# KiCad board [DFR1142]Lite Carrier for LattePanda Mu.kicad_pcb (continued)
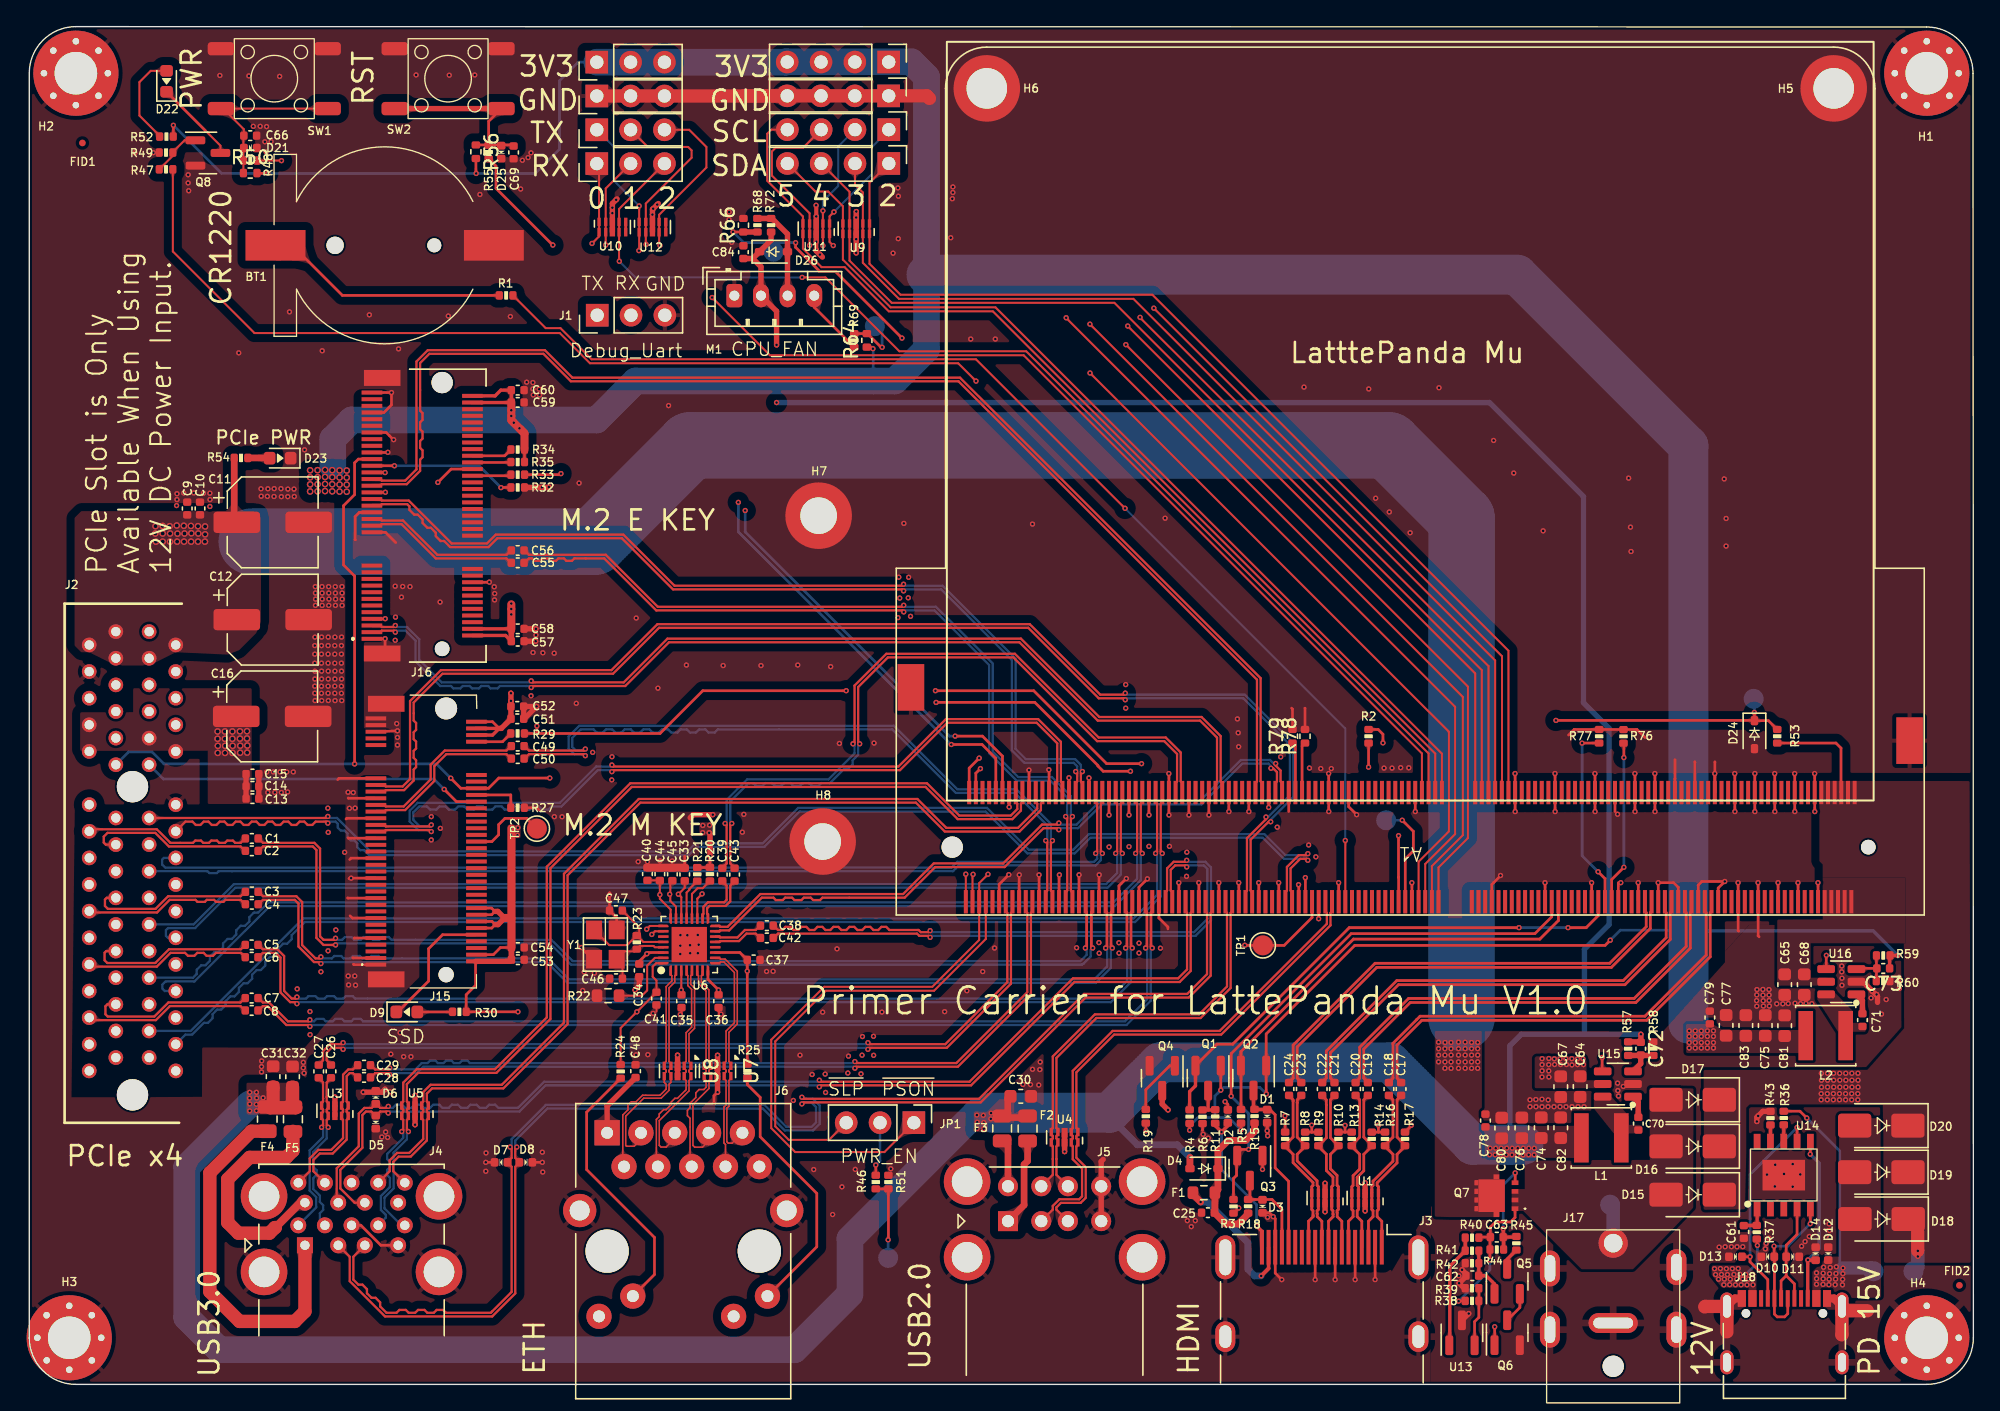
[diagram p0: board, top side]
## Routing (per net, layer and track width the routed paths; a pad name or vN(x,y) marks a point on that pad's centre or on a via; arc(x,y) is an arc through that point) (continued)
+5V: length 288.5
  Top w0.4: v1(121.03,26.3) 121.03,25.71 C72.1 120.99,25.73 R57.2 ; R72.1 55.71,85.96 D26.1 54.33,84.58 ; 54.33,84.58 54.95,83.96 M1.2 56.12,80.62 v1(56.12,78.09) ; 54.33,84.58 C84.1
  Top w0.5: 73.48,21.48 73.48,20.07 73.5,20.04 74.97,20.04
  Top w0.508: v1(87.16,17.05) D4.2
  Top w1: C32.2 19.77,21.01 20,20.78 18.1,20.78 18.31,20.99 C31.2
  In2.PWR w0.4: v1(56.12,73.76) v1(56.12,78.09)
  Bottom w0.4: 116.79,26.3 v1(121.03,26.3) ; 116.79,26.3 112.05,26.3 111.19,25.44 111.19,18 ; 116.79,26.3 116.79,32.69 118.64,34.54 118.64,49.29 116.72,51.21 116.72,66.69 109.65,73.76 v1(56.12,73.76)
  Bottom w0.508: v1(87.16,17.05) 86.21,18 83.21,18 81.13,20.08 81.13,20.41
  Bottom w2: v1(16.55,21.07) 11.82,16.34 11.82,5.04 14.26,2.6 57.46,2.6 61.63,6.77 61.63,10.93 71.16,20.46 v1(71.16,20.23)
  Bottom w3: 72.29,20.41 81.13,20.41 84.91,24.19 102.21,24.19 108.4,18 112.2,18
  vias: v1(16.54,21.5) v1(16.55,21.94) v1(16.55,20.55) v1(17.06,21.94) v1(17.07,21.51) v1(17.05,21.04) v1(17.06,20.56) v1(17.56,21.53) v1(71.19,19.7) v1(71.18,19.22) v1(71.65,20.21) v1(71.68,19.67) v1(71.68,19.21) v1(72.23,20.38) v1(72.21,19.95) v1(109.71,17.74) v1(109.67,17.25) v1(110.13,17.74) v1(110.09,17.25) v1(110.54,17.74) v1(110.51,17.25) v1(110.92,17.25) v1(110.95,17.74) v1(111.34,17.25) v1(111.37,17.74) v1(111.78,17.74) v1(111.76,17.25) v1(112.2,17.74) v1(112.18,17.25) v1(112.61,17.74) v1(112.6,17.25) v1(113.02,17.74) v1(113.02,17.25)
+12V: length 14.2
  Top w0.2: R40.2 108.9,11.06 C63.2 ; Q7.1 111.58,12.54 111.24,12.2 110.11,12.2 109.73,11.82 C63.2 ; R38.2 107.36,6.27 v1(107.34,6.25) ; v1(109.69,9.34) 109.69,10.12 R44.2 109.7,11.03 C63.2
  Bottom w0.2: v1(107.34,6.25) 109.69,8.6 v1(109.69,9.34)
  Bottom w0.4: 118.75,10.25 118.75,10.74
  Bottom w1: J17.1 118.95,13.27 TP4.1
+12VA: length 138.5
  Top w0.5: C11.1 15.39,64.95 R54.1
  Bottom w5: 16.71,63.31 42.42,63.31 49.65,70.54 102.07,70.54 107.56,65.05 107.56,27.56
  vias: v1(105.83,25.71) v1(105.83,25.22) v1(105.83,24.73) v1(105.83,24.23) v1(106.32,25.69) v1(106.31,25.22) v1(106.31,24.73) v1(106.31,24.23) v1(106.31,23.74) v1(106.77,25.69) v1(106.77,25.22) v1(106.77,24.73) v1(106.77,24.23) v1(106.77,23.74) v1(107.33,25.71) v1(107.33,25.22) v1(107.33,24.73) v1(107.33,24.23) v1(107.33,23.74) v1(107.83,25.71) v1(107.83,25.22) v1(107.83,24.73) v1(107.83,24.23) v1(107.83,23.74) v1(108.31,25.69) v1(108.31,25.22) v1(108.31,24.73) v1(108.31,24.23) v1(108.31,23.74) v1(108.77,25.69) v1(108.77,25.22) v1(108.77,24.73) v1(108.77,24.23) v1(108.77,23.74) v2(9.48,64.47) v2(9.46,63.92) v2(9.51,63.31) v2(10.01,64.49) v2(10.02,63.92) v2(10.02,63.31) v2(10.54,64.47) v2(10.57,63.92) v2(10.57,63.31) v2(11.07,64.52) v2(11.13,63.91) v2(11.1,63.31) v2(11.61,64.5) v2(11.62,63.31) v2(11.66,63.92) v2(12.14,64.49) v2(12.17,63.94) v2(12.15,63.31) v2(12.67,64.47) v2(12.69,63.92) v2(12.67,63.31) v2(13.2,64.45) v2(13.2,63.86) v2(13.19,63.31)
+15V: length 19.7
  Top w0.2: v1(129.78,10.44) 129.75,10.47 129.75,10.94 ; R36.1 132.98,20.52 v1(133.49,20.01)
  Bottom w0.2: v1(133.49,20.01) 135.97,17.53 135.97,9.09 v1(135.71,8.83) ; v1(128.91,8.26) 129.78,9.13 v1(129.78,10.44)
  Bottom w1: TP3.1 138.26,8.74 v1(136.21,8.74)
  vias: v1(126.56,8.69) v1(126.64,8.25) v1(126.86,7.9) v1(127,8.7) v1(127.08,8.26) v1(127.3,7.91) v1(127.26,7.48) v1(127.45,8.69) v1(127.53,8.25) v1(127.7,7.49) v1(127.75,7.9) v1(127.9,8.69) v1(128.02,8.26) v1(128.13,7.48) v1(128.23,7.91) v1(128.34,8.7) v1(128.46,8.27) v1(128.56,7.48) v1(128.67,7.92) v1(129,7.48) v1(129.12,7.91) v1(129.45,7.48) v1(134.22,8.38) v1(134.23,7.94) v1(134.22,7.52) v1(134.72,8.35) v1(134.72,7.93) v1(134.71,7.51) v1(134.75,8.8) v1(135.2,8.31) v1(135.17,7.9) v1(135.15,7.49) v1(135.25,8.78) v1(135.62,7.49) v1(135.68,8.33) v1(135.65,7.91) v1(136.2,8.32) v1(136.18,7.89) v1(136.17,7.48)
GND: length 316.8
  Top w0.15: C35.1 48.98,27.87 v1(48.89,27.78) 48.92,27.81 48.98,27.81 ; 51.77,27.82 51.94,27.82 v1(51.95,27.81) 51.77,27.99 C36.1 ; 51.77,28.03 51.78,28.02 ; 48.98,28.01 48.99,28 ; C41.1 47.1,28.01
  Top w0.2: v1(83.97,37.98) 83.33,37.34 A1.53 ; 24.01,37.99 24.05,38.03 v1(24.17,38.03) J15.27 ; 24.43,12.18 J4.7 24.9,11.95 26.4,10.45 J4.4 ; J16.45 26.73,67.01 v1(26.74,67.02) ; J16.MP1 26.72,55.12 v1(26.72,56.02) 26.71,56.01 J16.1 ; 111.58,45.88 A1.158 111.58,43.03 ; 43.58,36.93 43.58,36.92 v1(43.58,36.78) C47.1 44.12,35.06 Y1.4 ; 131.08,43.03 A1.236 131.08,45.88 ; 59.1,88.57 v1(59.09,88.58) 59.07,88.6 ; v1(75.83,38.28) 75.83,38.27 A1.23 ; J15.51 23.97,44.03 23.95,44.05 ; A1.249 134.33,37.68 ; v1(27.36,70.97) 27.35,70.97 26.81,71.51 J16.63 ; v1(122.33,37.69) 123.49,37.69 123.83,37.34 A1.207 ; v1(73.59,43.37) 73.58,43.37 A1.14 ; J15.1 24.38,31.53 24.34,31.57 ; v1(89.8,21.24) 90.01,21.03 D2.1 ; J3.5 v1(99.57,7.87) ; A1.56 84.08,42.77 ; v1(80.35,38.28) 80.33,38.26 A1.41 ; D7.1 v1(34.28,16.68) ; A1.113 98.33,37.68 ; R79.2 94.86,50.73 94.8,50.8 ; v1(26.73,57.52) 26.72,57.51 J16.7 ; 128.08,45.88 A1.224 128.08,43.03 ; v1(94.06,7.87) 93.57,8.36 J3.17 93.57,12.44 v1(93.41,12.6) 93.12,12.89 D3.1 ; v1(26.93,70.02) 26.92,70.01 J16.57 ; A1.219 126.83,37.28 v1(127.33,37.78) 125.61,37.78 125.33,37.5 A1.213 ; 24.49,63.44 24.47,63.46 24.47,65.19 24.79,65.51 J16.39 24.81,65.51 ; Y1.2 42.31,31.94 41.45,32.8 41.45,32.81 v1(41.46,32.82) ; 23.91,36.55 23.93,36.53 J15.21 ; A1.68 87.08,42.77 ; A1.38 79.58,45.55 v1(79.58,45.56) ; A1.17 74.33,38.26 v1(74.35,38.28) ; J3.8 v1(98.07,7.87) ; A1.101 95.33,37.52 v1(95.32,37.54) ; 88.09,19.08 88.11,19.1 R6.2 ; v1(26.72,68.5) 26.71,68.51 J16.51 ; R78.2 95.8,50.79 95.8,50.8 ; 125.07,46.77 125.08,46.75 A1.212 ; A1.116 99.08,43.39 v1(99.68,42.8) ; A1.50 82.58,42.77 ; A1.71 87.83,37.68 ; v1(51.69,21.95) 51.42,21.68 51.42,21.06 ; A1.47 81.83,37.45 82.38,38 v1(82.39,38) ; v1(93.08,43.34) 93.08,43.34 A1.92 ; 126.58,45.88 A1.218 126.58,46.75 126.59,46.76 ; 129.91,33.62 129.83,33.7 A1.231 129.83,37.68 ; 122.08,43.03 A1.200 122.08,45.88 ; v1(76.57,46.17) 76.58,46.15 A1.26 ; v1(78.84,38.28) 78.83,38.27 A1.35 ; v1(128.33,37.69) 128.33,37.68 A1.225 128.33,34.08 128.37,34.04 ; 120.58,45.88 A1.194 120.58,43.03 ; 62.1,88.1 v1(62.11,88.11) ; A1.65 86.33,37.68 ; A1.107 96.83,34.98 v1(96.83,34.98) ; v1(73.56,38.29) 72.83,37.56 A1.11 ; 46.43,39.32 v1(46.43,39.26) C40.1 ; J16.18 34.54,60.26 v1(34.55,60.27) ; 23.79,42.47 23.85,42.53 J15.45 ; A1.167 113.83,37.68 ; A1.74 88.58,42.77 ; 24.29,32.06 24.32,32.03 J15.3 ; A1.189 119.33,37.68 ; 24.09,35.2 24.26,35.03 J15.15 ; A1.151 109.83,37.55 110.49,38.21 v1(110.49,38.23) ; A1.95 93.83,37.68 ; 129.58,45.88 A1.230 129.58,43.03 ; 85.58,45.88 A1.62 85.58,42.77 ; 132.58,43.03 A1.242 132.58,45.88 ; 27.52,63.24 26.75,64.01 J16.33 ; A1.188 119.08,43.03 ; A1.243 132.83,37.68 ; J15.39 23.97,41.03 23.94,41.06 ; 24.4,33.52 24.41,33.53 J15.9 ; R27.2 38.12,43.32 38.34,43.1 ; 75.08,44.72 75.08,46.14 ; 23.16,45.43 23.26,45.53 J15.57 ; 114.58,45.88 A1.170 114.58,43.03 ; C33.1 49.23,39.66 49.22,39.67 ; 85.51,34.22 85.51,34.36 84.83,35.03 A1.59 ; A1.83 90.83,37.68 ; A1.86 91.58,43.03 ; D8.1 v1(38.53,16.68) ; 117.58,43.03 A1.182 117.58,45.88 ; J15.33 24.16,39.53 24.06,39.43 ; 134.08,43.03 A1.248 134.08,45.88 ; 97.58,43.03 A1.110 97.58,45.88 ; J16.69 26.63,73.01 27.2,73.58 v1(27.2,74.51) J16.75 ; A1.135 103.83,37.68 ; 121.34,48.59 120.73,49.2 R77.2 116.02,49.2 115.6,48.78 ; A1.89 92.33,37.68 ; A1.29 77.33,38.25 v1(77.36,38.28) ; A1.80 90.08,43.03 ; J3.2 v1(101.07,7.87) ; A1.77 89.33,37.68 ; A1.237 131.33,37.68 ; A1.44 81.08,42.77 v1(81.09,42.77) ; A1.181 117.33,37.68 ; J15.71 v1(27.65,49.1) 27.59,49.03 27.6,49.02 ; J3.11 v1(96.57,7.87) ; A1.136 104.08,43.03 ; 123.59,46.93 123.59,45.49 123.58,45.48 A1.206 ; A1.98 94.58,43.03 ; v1(78.08,45.57) 78.08,45.56 A1.32 ; A1.201 122.33,37.68 ; A1.195 120.83,37.68
  Top w0.25: v1(93,18.67) 93,19.02 v1(92.96,19.05) 92.96,19.68
  Top w0.3: v1(59.1,87.74) 59.1,88.57 ; v1(59.1,85.84) v1(59.1,85.22)
  Top w0.4: C58.1 v1(38.05,56.76) ; 49.63,42.57 49.86,42.8 v1(51.33,42.8) ; 138.8,28.7 138.8,29.16 138.73,29.23 v1(138.73,29.29) 138.67,29.29 138.41,29.55 v1(138.39,29.55) 138.39,29.57 137.65,30.3 137.23,30.3 ; v1(59.1,85.84) U11.8 v1(59.1,87.74) ; 59.56,84.69 v1(59.38,84.87) 59.1,85.15 v1(59.1,85.22) ; v1(22.95,21.58) U3.3 U3.8 ; R32.2 38.99,67.38 v1(39.02,67.41) ; v1(25.08,21.95) 26.5,21.95 v1(26.72,22.17) ; U12.3 v1(46.8,87.88) 46.8,88.27 v1(46.86,88.32) v1(47.16,88.63) 47.24,88.71 ; v1(62.1,85) v1(62.1,86.03) U9.8 v1(62.1,87.66) 62.1,88.1 ; C34.1 45.81,29.94 v1(45.49,29.63) ; J5.4 J5.8 80.5,16.75 80.65,16.9 ; v1(51.69,24.72) 51.69,24.71 U7.8 51.69,21.95 v1(51.69,21.95) ; 44.14,89.06 v1(44.08,88.99) 43.79,88.71 v1(43.79,88.4) v1(43.79,87.99) U10.3 ; C13.1 C15.2 ; v1(28.97,21.71) U5.8 v1(28.97,19.51) ; U8.8 v1(48.69,24.72) 48.68,24.73 ; R43.2 130.18,20.51 v1(129.84,20.17) 129.74,20.07 v1(129.74,19.75) ; R39.1 107.76,7.22 v1(107.38,7.6) 107.89,8.11 C62.2 107.89,8.32 v1(107.6,8.61) ; v1(97.31,12.97) U2.8 v1(97.31,15.11) ; U13.3 v1(108.1,5.32) ; C57.1 v1(38.03,55.83) ; v1(100.32,13.03) U1.8 U1.3 v1(100.32,15.14) ; v1(77.75,17.49) U4.8 U4.3 ; C51.1 37.17,50 v1(38.1,50.93) C52.1 C51.1
  Top w0.6: J18.S1 128.09,6.45 J18.A1 ; C33.1 49.2,38.82 C40.1 ; J18.A12 135.53,6.45 J18.S1
  Top w1: J12.4 67.41,96.8 67.6,96.61 ; J12.4 56.91,96.79 J11.1 ; J12.4 53.69,96.8 53.68,96.79 ; 138.03,5.53 136.45,5.53 J18.S1 136.13,3.74 136.12,3.73 ; 127.49,3.95 J18.S1 125.86,5.85 125.83,5.82
  In1.GND w0.2: 26.35,10.05 26.35,10.5 24.9,11.95 J4.7 24.75,11.95 25.41,12.61
  In2.PWR w0.2: 22.03,10.84 22.29,10.84 23.4,11.95 J4.7
  vias: v1(7.93,92.52) v1(9.31,92.53) v1(11.09,66.91) v1(11.09,66.47) v1(11.06,66.02) v1(11.6,66.96) v1(11.93,90.87) v1(11.93,90.26) v1(11.97,89.67) v1(12.35,66.97) v1(13.08,66.95) v1(13.56,66.95) v1(13.57,66.47) v1(13.56,65.95) v1(14.31,98.33) v1(15.73,77.49) v1(16.49,98.3) v1(16.82,94.51) v1(17.34,94.51) v1(17.4,67.28) v1(17.42,66.72) v1(17.44,23.87) v1(17.44,23.47) v1(17.45,24.3) v1(17.69,93.35) v1(17.82,94.49) v1(17.79,92.58) v1(17.83,46.01) v1(17.92,67.28) v1(17.88,66.71) v1(17.91,44.47) v1(18.16,93.36) v1(18.33,46.01) v1(18.39,67.29) v1(18.38,66.7) v1(18.44,44.47) v1(18.8,98.26) v1(18.83,46.01) v1(18.9,67.29) v1(18.93,66.69) v1(18.93,44.47) v1(19.33,46.01) v1(19.42,67.26) v1(19.41,66.69) v1(19.4,44.5) v1(19.54,80.57) v1(19.83,46.01) v1(19.88,67.26) v1(19.9,66.7) v1(20.12,29.71) v1(20.58,24.19) v1(20.58,23.78) v1(20.64,23.38) v1(20.67,70.21) v1(21.08,28.01) v1(21.09,26.27) v1(21.44,55.5) v1(21.44,54.86) v1(21.44,54.18) v1(21.44,52.45) v1(21.44,51.92) v1(21.48,59.93) v1(21.49,59.45) v1(21.5,58.99) v1(21.49,58.52) v1(21.45,56.14) v1(21.45,53.58) v1(21.45,52.99) v1(21.46,51.37) v1(21.94,55.5) v1(21.94,54.86) v1(21.94,54.18) v1(21.94,52.45) v1(21.94,51.92) v1(21.9,31) v1(22,77.65) v1(21.98,59.93) v1(21.99,59.45) v1(22,58.99) v1(21.99,58.52) v1(21.95,56.14) v1(21.95,53.58) v1(21.95,52.99) v1(21.96,51.37) v1(22.44,55.5) v1(22.44,54.86) v1(22.44,54.18) v1(22.44,52.45) v1(22.44,51.92) v1(22.42,43.29) v1(22.44,32.57) v1(22.48,59.93) v1(22.49,59.45) v1(22.5,58.99) v1(22.49,58.52) v1(22.45,56.14) v1(22.45,53.58) v1(22.45,52.99) v1(22.46,51.37) v1(22.45,41.47) v1(22.94,55.5) v1(22.94,54.86) v1(22.94,54.18) v1(22.94,52.45) v1(22.94,51.92) v1(22.98,59.93) v1(22.99,59.45) v1(23,58.99) v1(22.99,58.52) v1(22.95,56.14) v1(22.95,53.58) v1(22.95,52.99) v1(22.96,51.37) v1(23.02,34.14) v1(23.44,55.5) v1(23.44,54.86) v1(23.44,54.18) v1(23.44,52.45) v1(23.44,51.92) v1(23.48,59.93) v1(23.49,59.45) v1(23.5,58.99) v1(23.49,58.52) v1(23.45,56.14) v1(23.45,53.58) v1(23.45,52.99) v1(23.46,51.37) v1(23.68,39.97) v1(23.94,44.48) v1(24.04,43.28) v1(23.95,30.68) v1(23.98,30.01) v1(24.33,44.46) v1(24.44,30.68) v1(24.47,43.29) v1(24.5,29.99) v1(25.54,80.35) v1(26.47,18.58) v1(26.76,18.96) v1(26.91,18.55) v1(27.09,21.98) v1(27.15,24.81) v1(27.48,59.96) v1(27.5,57.64) v1(27.48,55.9) v1(27.59,49.64) v1(27.73,77.79) v1(27.65,48.6) v1(27.65,48.03) v1(27.85,26.42) v1(28.04,59.94) v1(27.95,59.14) v1(28.11,24.62) v1(28.59,59.93) v1(28.66,24.62) v1(29.05,98.37) v1(30.19,42.65) v1(30.19,40.9) v1(30.85,58.77) v1(30.87,41.77) v1(31.54,98.35) v1(31.47,80.26) v1(33.45,98.37) v1(33.84,89.39) v1(34.3,17.39) v1(34.28,16.01) v1(34.92,59.92) v1(34.94,58.93) v1(34.95,59.41) v1(36.13,80.22) v1(36.9,89.8) v1(37.03,91.96) v1(37.35,75.29) v1(37.46,92.16) v1(37.68,92.52) v1(37.68,51.73) v1(37.82,75.26) v1(37.82,74.78) v1(37.83,54.98) v1(37.85,74.33) v1(38.05,56.29) v1(38.29,74.76) v1(38.32,74.32) v1(38.5,67.39) v1(38.53,17.44) v1(38.57,54.96) v1(38.56,15.95) v1(39.42,54.93) v1(39.43,42.65) v1(40.01,42.64) v1(41.08,51.16) v1(41.29,67.71) v1(41.56,29.59) v1(41.67,30.98) v1(42.31,47.48) v1(42.44,30.9) v1(43.74,45.41) v1(43.76,47.15) v1(45.58,57.57) v1(45.57,24.76) v1(45.73,39.27) v1(46.45,24.77) v1(46.85,27.87) v1(47.21,52.3) v1(47.37,39.32) v1(48.01,73.53) v1(48.28,39.32) v1(48.9,33.75) v1(48.89,32.96) v1(48.89,32.33) v1(49.35,54.04) v1(49.42,33.74) v1(49.62,32.99) v1(49.63,32.39) v1(50.2,33.76) v1(50.21,32.39) v1(50.27,33.03) v1(52.11,54) v1(52.56,88.07) v1(52.55,87.51) v1(52.75,85.8) v1(53.55,41.48) v1(53.66,42.82) v1(54.95,54) v1(55.37,31.02) v1(55.86,31.03) v1(57.38,21.33) v1(57.71,54.04) v1(57.88,24.73) v1(58.79,23.28) v1(58.91,16.14) v1(59.58,27.96) v1(59.77,23.31) v1(59.8,21.93) v1(60.18,53.92) v1(60.33,12.76) v1(60.66,32.72) v1(60.84,48.15) v1(61.03,14.84) v1(61.52,24.66) v1(61.47,23.39) v1(62.03,16.15) v1(62.54,24.73) v1(62.46,23.33) v1(62.57,26.13) v1(63.44,48.18) v1(63.4,26.15) v1(63.41,24.72) v1(64.03,27.97) v1(64.7,16.2) v1(64.87,84.98) v1(65.23,89.88) v1(65.24,57.6) v1(65.27,89.26) v1(65.26,86.07) v1(65.3,60.64) v1(65.37,59.07) v1(65.68,64.68) v1(66.04,60.63) v1(66.01,59.09) v1(66.18,57.7) v1(68.74,28) v1(69.2,86.14) v1(69.32,89.07) v1(69.36,89.96) v1(69.36,89.54) v1(70.41,29.57) v1(70.7,78.53) v1(71.6,31.01) v1(72.49,32.78) v1(72.55,78.53) v1(74.62,22.53) v1(75.08,46.15) v1(75.19,22.52) v1(75.34,64.63) v1(75.34,23.67) v1(75.81,22.49) v1(75.92,24.22) v1(75.89,23.65) v1(78.65,32.8) v1(80.33,33.19) v1(80.35,32.39) v1(81.09,40.37) v1(81.83,33.18) v1(81.84,32.4) v1(82.34,52.57) v1(82.34,50.8) v1(82.59,42.77) v1(82.59,40.4) v1(83.34,33.15) v1(83.34,32.41) v1(84.09,42.77) v1(84.09,40.42) v1(84.95,32.77) v1(85.3,65.07) v1(85.58,45.89) v1(85.59,42.77) v1(85.62,40.42) v1(86.33,37.69) v1(86.93,39.98) v1(86.91,38.17) v1(86.96,12.3) v1(87.09,42.77) v1(87.26,11.85) v1(87.56,12.3) v1(87.83,37.69) v1(88.16,18.78) v1(88.54,18.5) v1(88.59,42.77) v1(89.33,37.69) v1(90.09,43.03) v1(90.73,49.99) v1(90.79,48.95) v1(90.82,47.9) v1(90.83,37.69) v1(91.59,43.03) v1(92.33,37.69) v1(92.99,12.55) v1(93.72,41.86) v1(93.83,37.69) v1(93.98,47.14) v1(95.73,74.92) v1(96.14,46.3) v1(96.08,40.52) v1(96.62,39.63) v1(96.99,46.26) v1(97.58,45.89) v1(97.59,43.03) v1(97.78,46.26) v1(98.33,37.69) v1(100.59,74.78) v1(101.11,66.57) v1(101.74,46.3) v1(102.14,65.54) v1(102.34,46.3) v1(102.99,46.33) v1(103.6,46.32) v1(103.7,63.98) v1(103.83,37.69) v1(104.09,43.03) v1(105.87,74.87) v1(107.36,8.16) v1(109.97,70.91) v1(111.48,68.46) v1(111.58,45.89) v1(111.59,43.03) v1(112.7,21.38) v1(112.7,20.86) v1(113.14,21.4) v1(113.15,20.86) v1(113.6,21.42) v1(113.6,20.86) v1(113.69,64.12) v1(113.83,37.69) v1(114.07,21.37) v1(114.05,20.86) v1(114.51,20.86) v1(114.58,45.89) v1(114.59,43.03) v1(114.96,20.86) v1(115.41,20.86) v1(115.86,20.86) v1(116.31,20.86) v1(116.76,20.86) v1(117.33,37.69) v1(117.58,45.89) v1(117.59,43.03) v1(119.28,42.83) v1(119.28,22.63) v1(119.3,22.07) v1(119.35,21.66) v1(119.52,37.69) v1(119.71,22.38) v1(120.11,68.08) v1(120.25,64.4) v1(120.29,62.57) v1(120.58,45.89) v1(120.59,43.03) v1(120.83,37.69) v1(122.08,45.89) v1(122.09,43.03) v1(126.58,45.89) v1(126.91,10.31) v1(127.29,68.02) v1(127.43,65.05) v1(127.43,62.98) v1(127.36,10.34) v1(127.83,10.34) v1(128.08,45.89) v1(128.09,43.03) v1(128.25,10.34) v1(128.68,10.34) v1(129.59,45.89) v1(129.59,43.03) v1(129.73,29.26) v1(129.72,28.83) v1(129.73,28.41) v1(129.83,37.69) v1(129.75,29.66) v1(130.19,29.67) v1(130.2,29.24) v1(130.22,28.82) v1(130.23,28.42) v1(130.44,10.59) v1(130.38,10.18) v1(130.5,15.76) v1(130.65,29.66) v1(130.66,29.25) v1(130.66,28.84) v1(130.68,28.42) v1(130.65,10.98) v1(131.08,45.89) v1(131.09,43.03) v1(131.12,16.5) v1(131.09,14.87) v1(131.23,28.59) v1(131.33,37.69) v1(131.69,28.59) v1(131.78,15.81) v1(132.1,28.61) v1(132.43,16.55) v1(132.43,14.85) v1(132.58,45.89) v1(132.59,43.03) v1(132.61,28.63) v1(132.83,37.69) v1(133.02,28.6) v1(133,15.77) v1(133.1,10.38) v1(133.43,28.62) v1(133.36,10.73) v1(133.68,11.11) v1(133.87,28.6) v1(134.08,45.89) v1(134.09,43.03) v1(134.33,37.69) v1(135.17,12.06) v1(135.19,11.56) v1(135.21,11.04) v1(136.11,31.43) v1(136.11,30.99) v1(136.13,30.51) v1(136.13,29.98) v1(138.32,29.03) v1(139.1,27.82) v1(139.45,28.91) v1(140.42,30.58) v1(140.42,30.17) v1(140.44,29.74)
+BATT: length 89
  Top w0.15: A1.115 98.83,40.85 v1(98.83,40.86) ; R1.1 38.78,79.35 39.89,79.35 42.23,77.01 71.09,77.01 v1(82.29,65.81)
  Bottom w0.15: v1(98.83,40.86) 98.83,49.27 v1(82.29,65.81)
/Fan_Temp/FAN_1_PWM: length 41.1
  Top w0.2: v1(64.05,77.91) 63.97,77.91 62.94,78.94 R64.2 R69.1 ; A1.2 70.58,46.29 v1(71.34,47.05)
  In2.PWR w0.2: v1(71.34,47.05) 71.34,70.62 v1(64.05,77.91)
  Bottom w0.2: v1(64.05,77.91) 64.05,78.95 TP12.1
/Fan_Temp/FAN_1_TAC: length 55.1
  Top w0.2: v1(71.43,46.26) 71.08,45.91 A1.4 ; v1(52.85,86.58) 52.86,86.57 R66.1 ; v1(65.54,78.6) 60.55,83.59 59.38,83.59 57.55,85.42 v1(57.55,85.77)
  Top w0.4: R68.2 R66.1
  In2.PWR w0.2: v1(65.54,78.6) 71.8,72.34 71.8,46.63 v1(71.43,46.26)
  Bottom w0.2: v1(52.85,86.58) 53.66,85.77 v1(57.55,85.77)
/Gigabit Ethernet/GbE_PCIe_CLK+: length 49.9
  Top w0.17: U6.15 51.82,34.04 51.88,34.1 52.56,34.1 55.02,36.56 55.88,36.56 56.07,36.38 56.58,36.38 56.77,36.56 57.28,36.56 57.47,36.38 57.98,36.38 58.17,36.56 58.68,36.56 58.87,36.38 59.38,36.38 59.57,36.56 65.74,36.56 68.04,38.86 73.25,38.86 76.17,41.78 77.21,41.78 v1(77.32,41.67) ; A1.94 93.58,45.18 93.7,45.3 93.7,46 93.41,46.29 v1(93.25,46.29)
  Bottom w0.17: v1(93.25,46.29) 93.25,46.45 93.06,46.63 91.1,46.63 88.04,43.57 80.56,43.57 78.77,41.78 77.43,41.78 v1(77.32,41.67)
/Gigabit Ethernet/GbE_PCIe_CLK-: length 49.9
  Top w0.17: U6.16 51.82,34.44 51.88,34.38 52.44,34.38 54.9,36.84 65.62,36.84 67.92,39.14 73.13,39.14 76.05,42.06 77.21,42.06 v1(77.32,42.17) ; A1.96 94.08,45.18 93.97,45.3 93.97,46.11 93.6,46.48 v1(93.6,46.64)
  Bottom w0.17: v1(77.32,42.17) 77.43,42.06 78.65,42.06 80.44,43.85 87.92,43.85 90.98,46.91 93.18,46.91 93.44,46.64 v1(93.6,46.64)
/Gigabit Ethernet/GbE_PCIe_RX+: length 53.2
  Top w0.17: v1(62.36,48.12) 62.25,48.23 62.25,52.38 64.48,54.61 73.9,54.61 80.19,48.32 85.23,48.32 86.2,47.36 86.2,45.3 86.08,45.18 A1.64 ; C43.2 52.97,38.81 52.64,39.13 52.64,42.03 v1(52.76,42.14)
  Bottom w0.17: v1(62.36,48.12) 62.25,48.01 62.25,47.29 61.84,46.88 61.84,46.58 61.49,46.23 61.19,46.23 60.13,45.17 59.48,45.17 59.27,44.96 58.78,44.96 58.57,45.17 58.08,45.17 57.87,44.96 57.38,44.96 57.17,45.17 56.68,45.17 56.47,44.96 55.98,44.96 55.77,45.17 55.28,45.17 55.07,44.96 54.58,44.96 54.37,45.17 54.02,45.17 52.64,43.8 52.64,42.25 v1(52.76,42.14)
/Gigabit Ethernet/GbE_PCIe_RX-: length 53.2
  Top w0.17: A1.66 86.58,45.18 86.47,45.3 86.47,47.47 85.35,48.6 80.31,48.6 74.02,54.89 64.36,54.89 61.97,52.5 61.97,48.23 v1(61.86,48.12) ; C39.2 52.05,38.81 52.37,39.13 52.37,42.03 v1(52.25,42.14)
  Bottom w0.17: v1(52.25,42.14) 52.37,42.25 52.37,43.91 53.9,45.45 60.01,45.45 61.97,47.41 61.97,48.01 v1(61.86,48.12)
/Gigabit Ethernet/GbE_PCIe_TX+: length 44
  Top w0.17: v1(86.92,39.37) 86.8,39.26 85.94,39.26 85.45,38.77 85.45,37.1 85.33,36.98 A1.61 ; v1(67.65,33.58) 67.54,33.7 66.84,33.7 66.67,33.86 56.23,33.86 55.9,33.54 C42.2
  Bottom w0.17: v1(86.92,39.37) 87.03,39.26 88.32,39.26 88.74,38.84 88.74,34.85 87.59,33.7 67.77,33.7 v1(67.65,33.58)
/Gigabit Ethernet/GbE_PCIe_TX-: length 44
  Top w0.17: A1.63 85.83,36.98 85.72,37.1 85.72,38.65 86.05,38.98 86.8,38.98 v1(86.92,38.87) ; v1(67.65,34.08) 67.54,33.97 66.95,33.97 66.79,34.13 64.59,34.13 64.36,34.37 63.99,34.37 63.76,34.13 63.39,34.13 63.16,34.37 62.79,34.37 62.56,34.13 62.19,34.13 61.96,34.37 61.59,34.37 61.36,34.13 60.99,34.13 60.76,34.37 60.39,34.37 60.16,34.13 59.79,34.13 59.56,34.37 59.19,34.37 58.96,34.13 58.59,34.13 58.36,34.37 57.99,34.37 57.76,34.13 57.39,34.13 57.16,34.37 56.79,34.37 56.56,34.13 56.23,34.13 55.9,34.46 C38.2
  Bottom w0.17: v1(67.65,34.08) 67.77,33.97 87.47,33.97 88.47,34.97 88.47,38.72 88.21,38.98 87.03,38.98 v1(86.92,38.87)
/Gigabit Ethernet/HSI+: length 3.8
  Top w0.17: U6.13 51.82,33.24 51.88,33.3 53.3,33.3 53.86,33.86 54.55,33.86 54.88,33.54 C42.1
/Gigabit Ethernet/HSI-: length 3.8
  Top w0.17: U6.14 51.82,33.64 51.88,33.58 53.18,33.58 53.74,34.13 54.55,34.13 54.88,34.46 C38.1
/Gigabit Ethernet/HSO+: length 4.4
  Top w0.17: C43.1 52.97,37.79 52.64,37.47 52.64,36.29 52.3,35.94 51.08,35.94 50.9,35.77 50.9,35.35 50.97,35.29 U6.17
/Gigabit Ethernet/HSO-: length 4.4
  Top w0.17: C39.1 52.05,37.79 52.37,37.47 52.37,36.4 52.18,36.22 50.96,36.22 50.63,35.88 50.63,35.35 50.57,35.29 U6.18
/Gigabit Ethernet/LED1_1000: length 34.9
  Top w0.15: U6.26 46.99,34.04 v1(46.75,33.8)
  In2.PWR w0.15: v1(46.75,33.8) 47.27,33.28 47.27,28.96 46.03,27.72 46.03,24.31 41.89,20.17 41.89,16.58 39,13.69 39,8.89 J6.L4
/Gigabit Ethernet/LED2_ACT: length 36.3
  Top w0.15: v1(46.37,34.19) 46.61,34.44 U6.25
  In2.PWR w0.15: J6.L2 52.89,11.95 56.28,15.34 56.28,19.02 47.71,27.59 47.71,33.44 46.93,34.22 46.4,34.22 v1(46.37,34.19)
/Gigabit Ethernet/MDI0+: length 17.5
  Top w0.116: J6.R2 44.57,16.45 44.57,20.24 44.96,20.63 44.96,20.98 45.21,21.23 45.56,21.23 46.05,21.72 47.36,21.72 47.83,22.18 47.83,22.54 47.69,22.68 U8.6 47.69,23.34 47.83,23.48 47.83,23.6 47.69,23.74 U8.5 47.69,24.12 47.83,24.26 47.83,29.88 48.26,30.31 48.26,30.7 48.17,30.79 U6.1
/Gigabit Ethernet/MDI0-: length 17.6
  Top w0.116: J6.R3 45.94,18.4 45.42,17.89 44.85,17.89 44.79,17.95 44.79,20.15 46.15,21.5 47.46,21.5 48.04,22.09 48.04,22.54 48.19,22.68 U8.7 48.19,23.34 48.04,23.48 48.04,23.6 48.19,23.74 U8.4 48.19,24.12 48.04,24.26 48.04,29.79 48.47,30.22 48.47,30.7 48.57,30.79 U6.2
/Gigabit Ethernet/MDI1+: length 16.5
  Top w0.116: U6.4 49.37,30.79 49.46,30.7 49.46,29.96 49.74,29.67 49.74,26.84 49.33,26.42 49.33,24.26 49.19,24.12 U8.2 49.19,23.74 49.33,23.6 49.33,23.48 49.19,23.34 U8.9 49.19,22.97 49.33,22.82 49.33,22.14 48.68,21.49 48.48,21.49 48.16,21.16 48.16,20.97 47.83,20.64 47.63,20.64 47.31,20.31 47.31,20.12 47.09,19.9 47.09,16.47 J6.R4
/Gigabit Ethernet/MDI1-: length 16.5
  Top w0.116: J6.R5 48.48,18.47 47.83,17.83 47.44,17.83 47.31,17.96 47.31,19.81 49.54,22.05 49.54,22.82 49.69,22.97 U8.10 49.69,23.34 49.54,23.48 49.54,23.6 49.69,23.74 U8.1 49.69,24.12 49.54,24.26 49.54,26.33 49.96,26.74 49.96,29.77 49.67,30.05 49.67,30.7 49.77,30.79 U6.5
/Gigabit Ethernet/MDI2+: length 16
  Top w0.116: U6.6 50.17,30.79 50.26,30.7 50.26,30.11 50.83,29.54 50.83,24.26 50.69,24.12 U7.5 50.69,23.75 50.83,23.6 50.83,23.49 50.69,23.35 ; U7.6 50.69,22.97 50.83,22.83 50.83,22.32 50.66,22.15 50.3,22.15 50.06,21.9 50.06,21.55 49.62,21.12 49.62,20.79 49.42,20.59 49.42,20.19 49.62,19.99 49.62,16.48 J6.R6
/Gigabit Ethernet/MDI2-: length 16
  Top w0.116: J6.R7 51.02,18.27 50.56,17.82 49.97,17.82 49.84,17.95 49.84,21.03 51.04,22.23 51.04,22.83 51.19,22.97 U7.7 ; 51.19,23.35 51.04,23.49 51.04,23.6 51.19,23.75 U7.4 51.19,24.12 51.04,24.26 51.04,29.63 50.47,30.2 50.47,30.7 50.57,30.79 U6.7
/Gigabit Ethernet/MDI3+: length 17.2
  Top w0.116: 52.17,16.47 J6.R8 52.29,18.02 52.17,18.14 52.17,20.83 52.33,20.99 52.33,22.83 52.19,22.97 U7.9 52.19,23.35 52.33,23.49 52.33,23.6 52.19,23.75 U7.2 52.19,24.12 52.33,24.26 52.33,26.54 52.95,27.17 52.95,30.94 52.17,31.73 51.91,31.73 51.82,31.64 U6.9
/Gigabit Ethernet/MDI3-: length 18.3
  Top w0.116: 53.55,18.23 J6.R9 ; J6.R9 52.77,18.12 52.49,18.12 52.39,18.23 52.39,20.74 52.54,20.9 52.54,22.83 52.69,22.97 U7.10 52.69,23.35 52.54,23.49 52.54,23.6 52.69,23.75 U7.1 52.69,24.12 52.54,24.26 52.54,26.45 53.17,27.07 53.17,31.04 52.26,31.95 51.91,31.95 51.82,32.04 U6.10 ; J6.R9 53.54,18.9 ; J6.R9 53.56,18.89 53.56,18.21
/GPIO/I2C2_SCL: length 83.9
  Top w0.15: v1(60.38,85.55) 60.1,85.83 U11.10 60.1,87.75 v1(60.43,88.08) ; v1(84.45,80.85) 110.6,54.7 110.6,45.4 110.58,45.38 A1.154
  In2.PWR w0.15: v1(60.38,85.55) 79.75,85.55 v1(84.45,80.85)
  Bottom w0.15: v1(60.43,88.08) 63.27,90.92 63.27,92.94 64.55,94.22 J9.1
/GPIO/I2C2_SDA: length 78.8
  Top w0.15: J7.1 63.1,90.27 U9.10 63.1,84.18 65.42,81.86 84.34,81.86 111.08,55.11 A1.156
/GPIO/I2C3_SCL: length 82.3
  Top w0.15: v1(59.6,85.54) U11.9 U11.2 v1(59.6,88.17) ; v1(83.42,80.16) 83.42,80.13 109.58,53.96 A1.150
  In2.PWR w0.15: v1(83.42,80.16) 80.05,83.53 61.61,83.53 v1(59.6,85.54)
  Bottom w0.15: J9.2 60.75,93 60.75,90.03 59.6,88.88 v1(59.6,88.17)
/GPIO/I2C3_SDA: length 77.5
  Top w0.15: A1.152 110.08,54.38 82.92,81.55 65.31,81.55 62.6,84.26 U9.9 62.6,89.54 62.01,90.13 J7.2
/GPIO/I2C4_SCL: length 85.4